# Altium PCB 2022_AESK_UAV_POWER.PcbDoc
Units mm, origin at the board's own origin, x right, y up, seen from the top; angles counter-clockwise.
Board outline 64.02 x 40 mm, 2 copper layers (Top Layer, Bottom Layer); 52 components, 11 nets, 113 pads, 384 vias.
Unrouted connection lines stored in the file: 3.
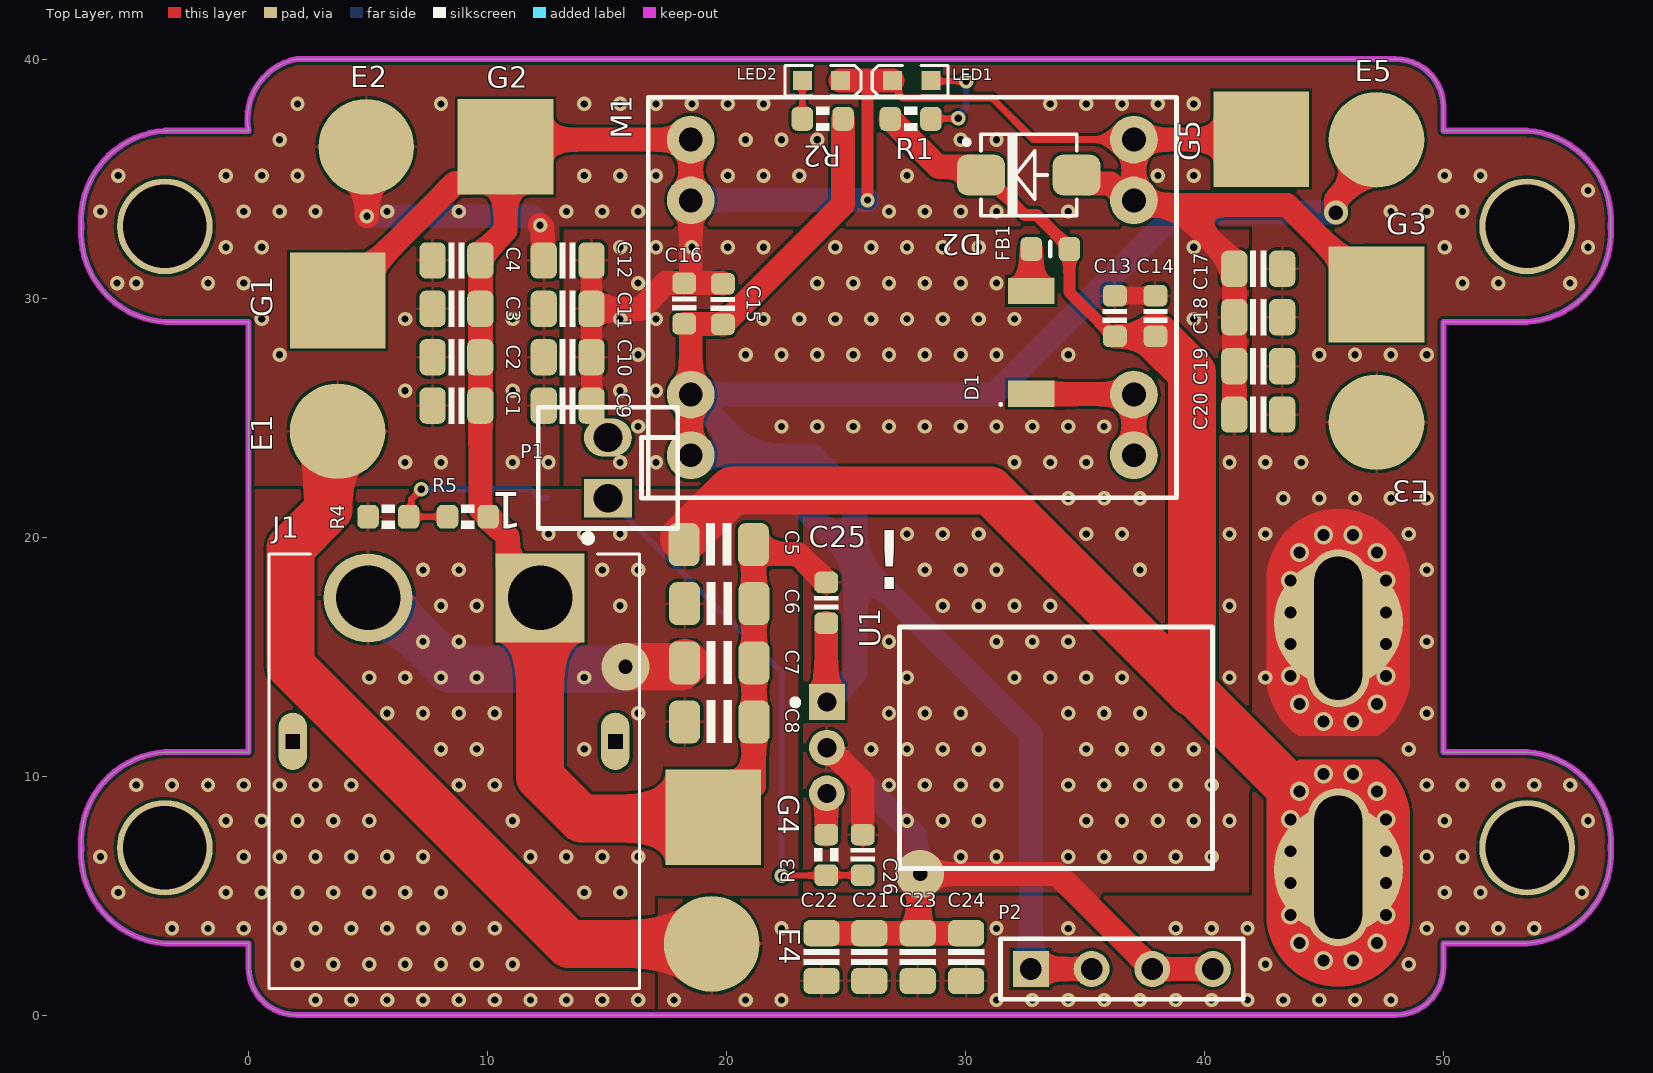
[diagram p0: Top Layer view]
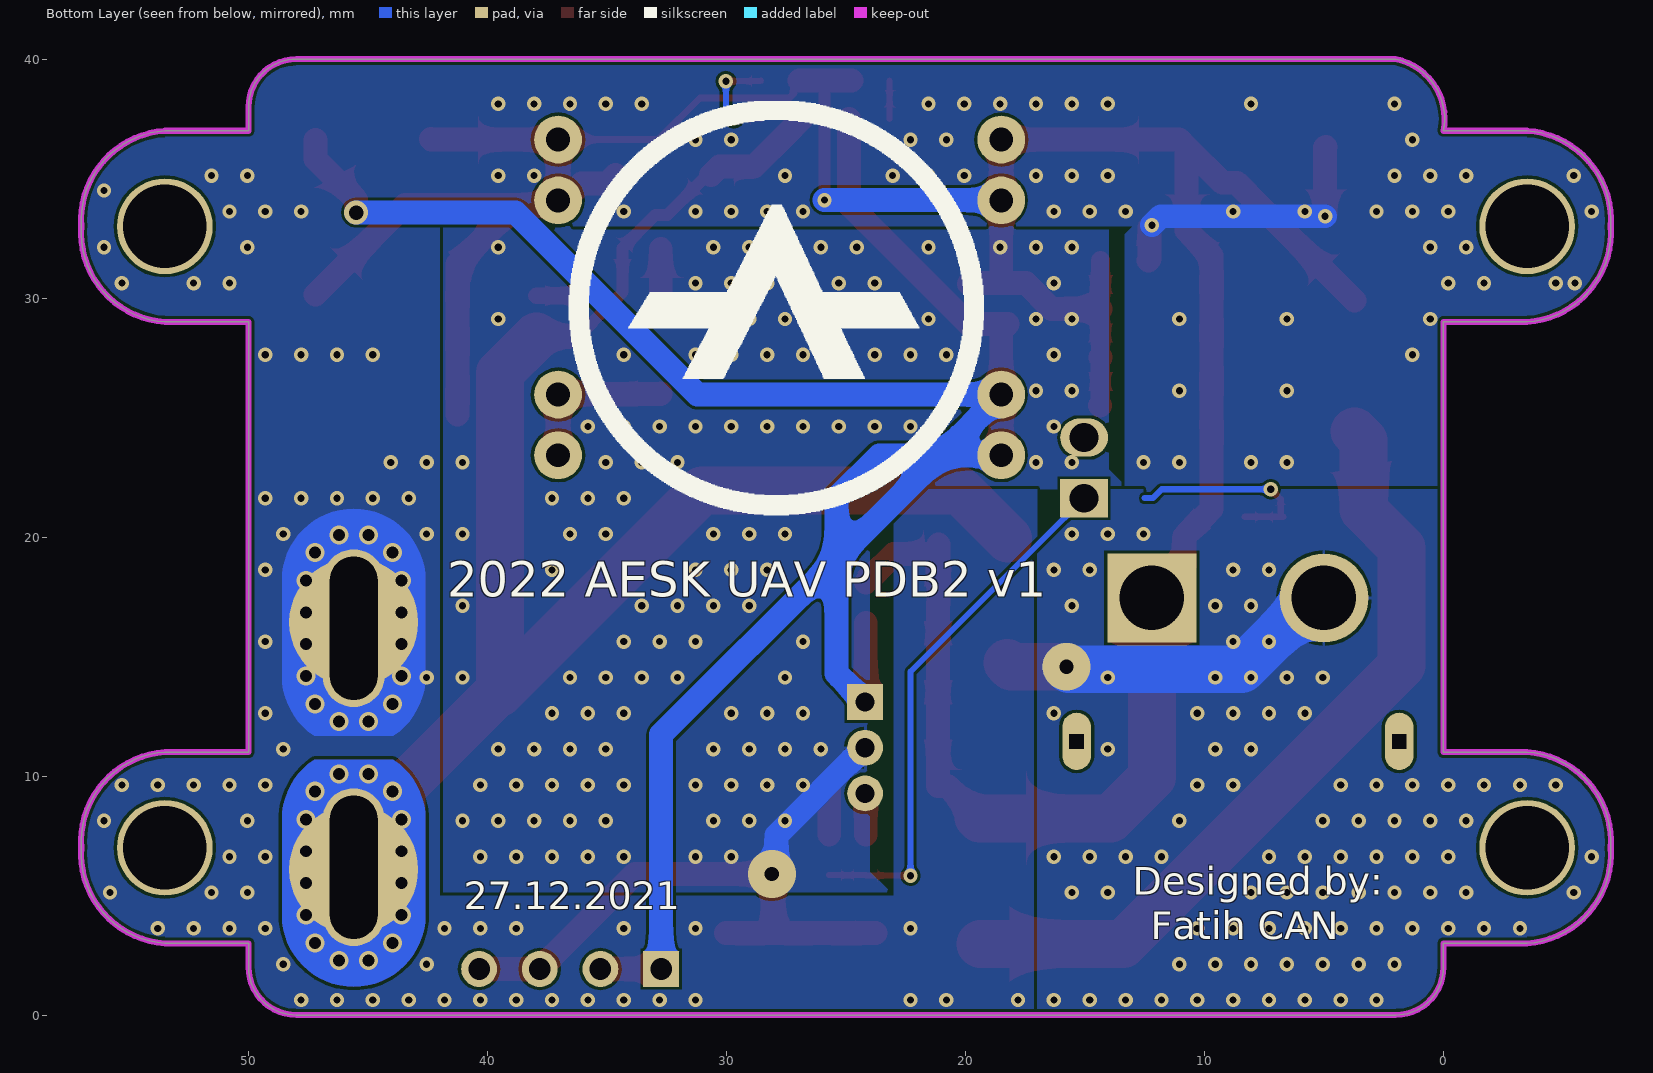
[diagram p1: Bottom Layer view, seen from below]
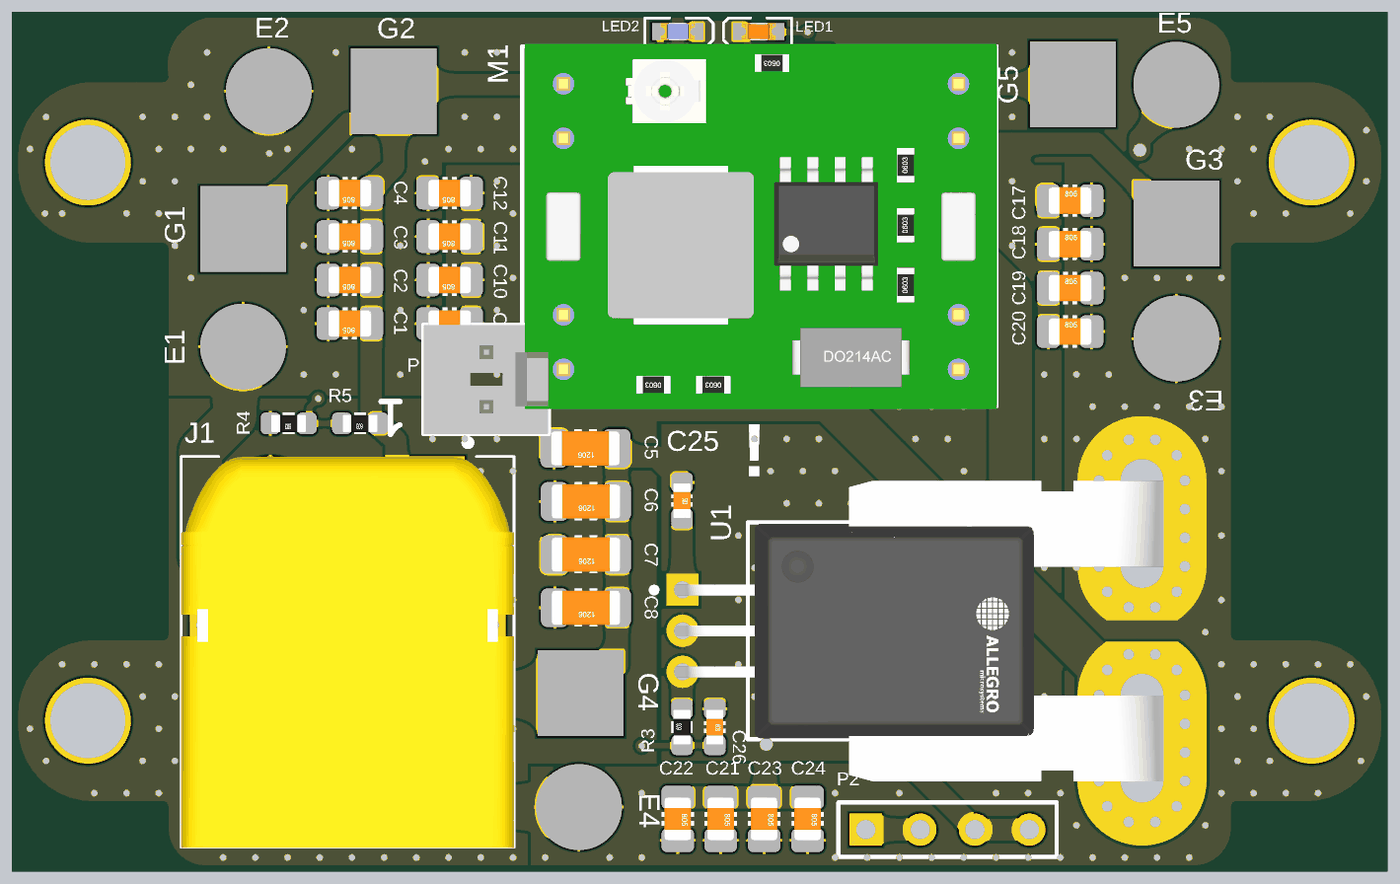
[diagram p2: 3D render of the assembled board from above, using the file's embedded part models]

## Layer stack, top to bottom
Top Solder: solder mask 0.0102, Solder Resist, Dk 3.5
Top Layer: signal copper 0.0356
Dielectric 1: dielectric 0.32, FR-4, Dk 4.8
Bottom Layer: signal copper 0.0356
Bottom Solder: solder mask 0.0102, Solder Resist, Dk 3.5

## Board outline
0,2 0,3 -3.5,3 cw(c-3.25,6.75) -7,7 cw(c-3.25,7.25) -3.5,11 0,11 0,29 -3.5,29 cw(c-3.25,32.75) -7,33 cw(c-3.25,33.25) -3.5,37 0,37 cw(c2.5,37.5) 2,40 48,40 cw(c48,38) 50,38 50,37 53.5,37 cw(c53.25,33.25) 57,33 cw(c53.25,32.75) 53.5,29 50,29 50,11 53.5,11 cw(c53.25,7.25) 57,7 cw(c53.25,6.75) 53.5,3 50,3 50,2 cw(c48,2) 48,0 2,0 cw(c2,2)

## Design rules (kind name [scope] priority, off if disabled: settings)
BoardOutlineClearance [All] p1: gap=0.2 ignorepadtopadclearanceinfootprint=FALSE
Clearance [All] p1: gap=0.127 ignorepadtopadclearanceinfootprint=FALSE except(0.25: Arc-Hole Track-Hole SMDPad-Hole THPad-Hole Via-Hole Fill-Hole Poly-Hole Region-Hole Text-Hole)
ComponentClearance [All] p1: gap=0.127 collisioncheckmode=3 verticalgap=0.127 showdistances=TRUE
DiffPairsRouting [All] p1: maxlimit=0.254 minlimit=0.127 mostfreqgap=0.127 toplayer_minwidth=0.127 toplayer_maxwidth=25.4 toplayer_prefwidth=0.127 bottomlayer_minwidth=0.127 bottomlayer_maxwidth=25.4 bottomlayer_prefwidth=0.127 maxuncoupledlength=12.7
Height [All] p1: minheight=0 maxheight=1816.048 prefheight=12.7
HoleSize [All] p1: absolutevalues=TRUE maxlimit=6.3 minlimit=0.3 maxpercent=80.000 minpercent=20.000
HoleToHoleClearance [All] p1: gap=0.25 allowstackedmicrovias=FALSE
MinimumAnnularRing [All] p1: minimumring=0.076
MinimumSolderMaskSliver [All] p1: minsoldermaskwidth=0
PlaneClearance [All] p1: clearance=0.127
PlaneConnect PlaneConnectPowerPads [InPadClass('PowerPads')] p1: planeconnectstyle=Direct reliefexpansion=0.508 reliefentries=4 reliefconductorwidth=0.254 reliefairgap=0.254
PlaneConnect [All] p2: pad.planeconnectstyle=Relief pad.reliefexpansion=0.3 pad.reliefentries=4 pad.reliefconductorwidth=0.127 pad.reliefairgap=0.127 via.planeconnectstyle=Direct via.reliefexpansion=0.3 via.reliefentries=4 via.reliefconductorwidth=0.127 via.reliefairgap=0.127
PolygonConnect PolygonConnectPowerPads [All vs (InPadClass('PowerPads'))] p1: connectstyle=Direct reliefconductorwidth=0.254 reliefentries=4 polygonreliefangle="90 Angle" airgapwidth=0.254
PolygonConnect [All] p2: thpad.connectstyle=Relief thpad.reliefconductorwidth=0.127 thpad.reliefentries=4 thpad.polygonreliefangle="90 Angle" thpad.airgapwidth=0.127 smdpad.connectstyle=Relief smdpad.reliefconductorwidth=0.127 smdpad.reliefentries=4 smdpad.polygonreliefangle="90 Angle" smdpad.airgapwidth=0.127 via.connectstyle=Direct via.reliefconductorwidth=0.127 via.reliefentries=4 via.polygonreliefangle="90 Angle" via.airgapwidth=0.127
RoutingVias [All] p1: holewidth=0.3 width=0.6 viastyle="Through Hole" minholewidth=0.3 minwidth=0.6 maxholewidth=0.6 maxwidth=6.6
SilkToSilkClearance [All] p1: silktosilkclearance=0
SilkToSolderMaskClearance [IsPad] p1: minsilkscreentomaskgap=0.127 clearancetoexposedcopper=TRUE
SolderMaskExpansion [All] p1: expansion=0.075 istentingtop=FALSE
Width [All] p1: maxlimit=25.4 minlimit=0.127 preferedwidth=0.127 minimp=50.000000 maximp=50.000000 favimp=50.000000
20 further rules are at their usual default settings.

## Components (designator, comment, footprint, x,y, rotation, side; value= is the part's Value field where it differs from the comment)
C1 "1uF" "CAPC 0805" 8.7,25.5 r180 top
C2 "1uF" "CAPC 0805" 8.7,27.525 r180 top
C3 "1uF" "CAPC 0805" 8.7,29.55 r180 top
C4 "1uF" "CAPC 0805" 8.7,31.575 r180 top
C5 "1uF" "CAPC 1206" 19.675,19.687 r180 top
C6 "1uF" "CAPC 1206" 19.7,17.212 r180 top
C7 "1uF" "CAPC 1206" 19.7,14.737 r180 top
C8 "1uF" "CAPC 1206" 19.7,12.262 r180 top
C9 "1uF" "CAPC 0805" 13.35,25.5 r180 top
C10 "1uF" "CAPC 0805" 13.35,27.525 r180 top
C11 "1uF" "CAPC 0805" 13.35,29.55 r180 top
C12 "1uF" "CAPC 0805" 13.35,31.575 r180 top
C13 "10uF" "CAPC 0603" 36.25,29.25 r270 top
C14 "100nF" "CAPC 0603" 37.95,29.25 r270 top
C15 "10uF" "CAPC 0603" 19.85,29.75 r270 top
C16 "100nF" "CAPC 0603" 18.231,29.772 r270 top
C17 "1uF" "CAPC 0805" 42.25,31.225 r0 top
C18 "1uF" "CAPC 0805" 42.25,29.2 r0 top
C19 "1uF" "CAPC 0805" 42.25,27.15 r0 top
C20 "1uF" "CAPC 0805" 42.25,25.125 r0 top
C21 "1uF" "CAPC 0805" 25.975,2.425 r270 top
C22 "1uF" "CAPC 0805" 23.975,2.425 r270 top
C23 "1uF" "CAPC 0805" 28,2.425 r270 top
C24 "1uF" "CAPC 0805" 30.025,2.425 r270 top
C25 "100nF" "CAPC 0603" 24.175,17.25 r270 top
C26 "10nF" "CAPC 0603" 25.7,6.7 r270 top
D1 "PMEG3050BEP" SOD470X100-2N 32.75,28.15 r90 top
D2 "" "DO-214AC, SMA" 32.65,35.15 r0 top
E1 "esc" esc 3.725,24.425 r0 top
E2 "esc" esc 4.925,36.325 r0 top
E3 "esc" esc 47.2,24.8 r0 top
E4 "esc" esc 19.375,2.975 r270 top
E5 "esc" esc 47.2,36.625 r0 top
FB1 "Ferrite Bead" FCM1608KF-601T03 33.55,32.05 r180 top
G1 "gnd" gnd 3.725,29.9 r0 top
G2 "gnd" gnd 10.75,36.325 r0 top
G3 "gnd" gnd 47.2,30.15 r0 top
G4 "gnd" gnd 19.45,8.275 r270 top
G5 "gnd" gnd 42.375,36.65 r0 top
J1 "XT60PW-M" AMASS_XT60PW-M 8.6,11.45 r180 top
LED1 "" "LED RED 0603" 27.75,39.1 r180 top
LED2 "" "LED BLUE 0603" 23.975,39.1 r0 top
M1 "DC-DC Conv(0.8V-18V&3A)" mp 27.775,30.025 r180 top
P1 "Header 2" HDR1X2 15.04,21.625 r180 top
P2 "Header 4" HDR1X4 32.735,1.925 r0 top
R1 "470R" "RESC 0603" 27.706,37.497 r180 top
R2 "470R" "RESC 0603" 24.025,37.5 r0 top
R3 "4.7K" "RESC 0603" 24.175,6.7 r90 top
R4 "27K" "RESC 0603" 5.85,20.85 r180 top
R5 "10K" "RESC 0603" 9.175,20.85 r180 top
U1 "ACS758KCB-150B-PFF-T" Allegro_MicroSystems_LLC_CB-5-PFF_MFG 33.79,11.185 r270 top
? "Comment" "AESK YAZI" 26,17 r0 top

## Footprints (in the part's own frame and the unit in brackets; to place one, negate y for a bottom-side part, rotate by r counter-clockwise, add the part's x,y. Pads: shape width x height; smd on the part's side, far side on the other; paste and mask are expansions set on the pad)
"AESK YAZI" [mm] "AESK YAZI"
Allegro_MicroSystems_LLC_CB-5-PFF_MFG [mm]
  rect 1.5x1.5 hole 0.8 paste-1000 mask+0: 1(-1.91,-9.59)
  round 1.5 hole 0.8 paste-1000 mask+0: 2(0,-9.59) 3(1.91,-9.59)
  rrect100% 6.6x2.6 hole 2 slot 6 at 0 deg paste-1000 mask+0: 4(5,11.809) 5(-5,11.809)
  round 5.4 smd paste-1000 mask+0: 4(5.099,11.809) 5(-5.25,11.809)
  round 5.4 smd far side paste-1000 mask+0: 4(5.099,11.809) 5(-5.25,11.809)
  Top Layer region: 0.5,13.468 1.581,14.453 3,14.809 3,14.809 7,14.81 8.302,14.512 9.345,13.68 9.925,12.477 9.925,11.142 9.345,9.939 8.302,9.107 7,8.809 7,8.809 3,8.809 1.581,9.166 0.5,10.151 0.5,10.151
  Top Layer region: -0.5,10.151 -1.581,9.166 -3,8.81 -3,8.81 -7,8.809 -8.302,9.107 -9.345,9.939 -9.925,11.142 -9.925,12.477 -9.345,13.68 -8.302,14.512 -7,14.809 -7,14.81 -3,14.81 -1.581,14.453 -0.5,13.468 -0.5,13.468
  Bottom Layer region: 0.5,13.468 1.581,14.453 3,14.809 3,14.809 7,14.81 8.302,14.512 9.345,13.68 9.925,12.477 9.925,11.142 9.345,9.939 8.302,9.107 7,8.809 7,8.809 3,8.809 1.581,9.166 0.5,10.151 0.5,10.151
  Bottom Layer region: -0.5,10.151 -1.581,9.166 -3,8.81 -3,8.81 -7,8.809 -8.302,9.107 -9.345,9.939 -9.925,11.142 -9.925,12.477 -9.345,13.68 -8.302,14.512 -7,14.809 -7,14.81 -3,14.81 -1.581,14.453 -0.5,13.468 -0.5,13.468
  silkscreen extent -5.05,-11.04 5.05,6.55, body extent -10.1,-10.44 10.1,14.91, height 0.25
AMASS_XT60PW-M [mm]
  rect 3.716x3.716 hole 2.7: 1(-3.6,-6)
  round 3.716 hole 2.7: 2(3.6,-6)
  oval 1.2x2.4 hole 0.6 square: S1(-6.75,0) S2(6.75,0)
  silkscreen extent -7.75,-8.65 7.75,10.35, body extent -7.75,-7.83 7.75,10.37, height 8.2
"CAPC 0603" [mm] "Chip Resistor, Body 1.6x0.8mm, IPC Medium Density"
  rrect50% 0.9x1 smd: 1(-0.85,0) 2(0.85,0)
  silkscreen extent -0.28,-0.5 0.28,0.5, body extent -0.8,-0.4 0.8,0.4, height 0.3
"CAPC 0805" [mm] "Chip Resistor, Body 2.0x1.3mm, IPC Medium Density"
  rrect50% 1.1x1.52 smd: 1(-1,0) 2(1,0)
  silkscreen extent -0.33,-0.75 0.32,0.75, body extent -1,-0.62 1,0.63, height 0.78
"CAPC 1206" [mm]
  rrect50% 1.3x1.8 smd: 1(-1.45,0) 2(1.45,0)
  silkscreen extent -0.53,-0.9 0.53,0.87, body extent -1.6,-0.8 1.6,0.8, height 1
"DO-214AC, SMA" [mm]
  rrect50% 2x1.7 smd: 1(-2,0) 2(2,0)
  silkscreen extent -2.67,-1.7 2,1.7, body extent -2.73,-1.4 2.77,1.4, height 2.6
esc [mm]
  round 4 smd paste+0: 1(0,0)
FCM1608KF-601T03 [mm]
  rrect50% 0.9x1 smd: 1(-0.8,0) 2(0.8,0)
  silkscreen extent 0,-0.3 0,0.3, body extent -0.8,-0.4 0.8,0.4, height 0.95
gnd [mm]
  rect 4x4 smd paste+0: 1(0,0)
HDR1X2 [mm]
  rect 2x1.6 hole 1.2: 1(0,0)
  oval 2x1.6 hole 1.2: 2(0,-2.54)
  silkscreen extent -2.92,-3.81 2.92,1.27, body extent -2.9,-3.81 2.9,1.27, height 11.71
HDR1X4 [mm] "Connector; Header; 4 Position"
  rect 1.5x1.5 hole 0.9: 1(0,0)
  round 1.5 hole 0.9: 2(2.54,0) 3(5.08,0) 4(7.62,0)
  silkscreen extent -1.27,-1.27 8.89,1.27
"LED BLUE 0603" [mm]
  rect 0.8x0.8 smd: 1(-0.8,0) 2(0.8,0)
  silkscreen extent -1.52,-0.64 1.65,0.64, body extent -0.8,-0.4 0.8,0.4, height 0.59
"LED RED 0603" [mm]
  rect 0.8x0.8 smd: 1(-0.8,0) 2(0.8,0)
  silkscreen extent -1.52,-0.64 1.65,0.64, body extent -0.8,-0.4 0.8,0.4, height 0.59
mp [mm]
  round 2 hole 1: 1(-9.271,6.604) 2(-9.271,4.064) 3(9.271,6.604) 4(9.271,4.064) 5(-9.271,-4.064) 6(-9.271,-6.604) 7(9.271,-4.064) 8(9.271,-6.604)
  silkscreen extent -11.05,-8.38 11.05,8.38, body extent -11.08,-8.49 10.92,8.51, height 8
"RESC 0603" [mm] "Chip Resistor, Body 1.6x0.8mm, IPC Medium Density"
  rrect50% 0.9x1 smd: 1(-0.85,0) 2(0.85,0)
  silkscreen extent -0.28,-0.5 0.28,0.5, body extent -0.8,-0.4 0.8,0.4, height 0.3
SOD470X100-2N [mm]
  rect 1.1x1.95 smd: 1(-2.15,0) 2(2.15,0)
  silkscreen extent -2.65,1.23 -2.55,1.32, body extent -2.35,-1.35 2.35,1.35, height 1

## Part data
C1 C2 C3 C4 C9 C10 C11 C12 C17 C18 C19 C20 C21 C22 C23 C24: library part CAPC0580, "Capacitor Ceramic 1uF 50V 0805", Package / Case=0805, Tolerance=%10, Value Rating=uF, Values="1uF 50V", Voltage=50V, Category="Capacitor Ceramic", Favorites=Favorite, part number=CAPC0580
C5 C6 C7 C8: library part CAPC0953, "Capacitor Ceramic 1uF 25V 1206", Package / Case=1206, Tolerance=%10, Value Rating=uF, Values="1uF 25V", Voltage=25V, Category="Capacitor Ceramic", part number=CAPC0953
C13 C15: library part CAPC0301, "Capacitor Ceramic 10uF 50V 0603", Package / Case=0603, Tolerance=%10, Value Rating=uF, Values="10uF 50V", Voltage=50V, Category="Capacitor Ceramic", part number=CAPC0301
C14 C16 C25: library part CAPC0285, "Capacitor Ceramic 100nF 50V 0603", Package / Case=0603, Tolerance=%10, Value Rating=nF, Values="100nF 50V", Voltage=50V, Category="Capacitor Ceramic", Favorites=Favorite, part number=CAPC0285
C26: library part CAPC0277, "Capacitor Ceramic 10nF 50V 0603", Package / Case=0603, Tolerance=%10, Value Rating=nF, Values="10nF 50V", Voltage=50V, Category="Capacitor Ceramic", Favorites=Favorite, part number=CAPC0277
D1: library part "Schotky Diode", "Schotky Diode", manufacturer="Nexperia USA", Manufacturer Part Number=PMEG3050BEP,115, Supplier Part Number 1=1727-5207-1-ND, Pricing 1="1=0.44, 10=0.373, 100=0.2786, 500=0.2189, 1000=0.1692 (USD)", Stock 1=62590, Supplier 1=Digi-Key
D2: library part Diode0012, Current=FILL!!!, Package / Case="DO-214AC, SMA", Category="Diode Schottky", Diode Type=Schottky, part number=Diode0012, Speed=FILL!!!, Values=FILL!!!, Voltage - DC Reverse (Vr)=FILL!!!, Voltage - Forward (Vf)=FILL!!!
FB1: library part FCM1608KF-601T03
J1: Package="Package Analog Devices", Availability=Unavailable, MF=AMASS, MP=XT60PW-M, Price=None, SnapEDA_Link=https://www.snapeda.com/parts/XT60PW-M%20/AMASS/view-part/3075559/?ref=snap
LED1: library part "LED RED", "LED"
LED2: library part "LED BLUE", "LED"
M1: library part MP1584EN
P1: "Header, 2-Pin", LatestRevisionDate=17-Jul-2002, LatestRevisionNote="Re-released for DXP Platform.", Publisher="Altium Limited"
P2: "Header, 4-Pin", LatestRevisionDate=17-Jul-2002, LatestRevisionNote="Re-released for DXP Platform.", Publisher="Altium Limited"
R1 R2: library part R0188, "470R 0603", Package / Case=0603, Power=1/10W, Tolerance=%5, Category=Resistor, part number=R0188, Values=470R
R3: library part R0212, "4.7K 0603", Package / Case=0603, Power=1/10W, Tolerance=%5, Category=Resistor, part number=R0212, Values=4.7K
R4: library part R0230, "27K 0603", Package / Case=0603, Power=1/10W, Tolerance=%5, Category=Resistor, part number=R0230, Values=27K
R5: library part R0220, "10K 0603", Package / Case=0603, Power=1/10W, Tolerance=%5, Category=Resistor, part number=R0220, Values=10K

## Free pads (board coordinates)
  round 4 hole 3.5: 1(-3.5,7) 1(-3.5,33) 1(53.5,7) 1(53.5,33)

## Via types
v1: diameter 0.6, hole 0.3, Top Layer to Bottom Layer, tented both sides, 349 vias
v2: diameter 0.8, hole 0.5, Top Layer to Bottom Layer, 32 vias
v3: diameter 2, hole 0.6, Top Layer to Bottom Layer, tented both sides, 2 vias
v4: diameter 1, hole 0.6, Top Layer to Bottom Layer, tented both sides, 1 vias

## Nets (pads, with @x,y where several pads share a name; then routed paths per layer and width w, separated by ;. In a path a pad name is that pad's centre, name@x,y a point inside that pad or via, vN(x,y) a via of type N, cw(c..) or ccw(c..) an arc to the next point about the centre after c; other vN are vias at no path point)
+5V: C15.2 C16.2 C25.2 E5.1 M1.3 M1.4 P2.1 P2.2 R2.2 U1.1 | length 104.3
  Top Layer w1: M1.3 M1.4 18.504,28.649 C16.2 19.828,28.922 C15.2 20.473,29.523 20.478,29.523 24.875,33.92 R2.2 ; C25.2 24.175,13.12 U1.1 ; P2.1 P2.2 ; v4(45.5,33.575) 45.5,34.113 47.2,35.813 E5.1
  Bottom Layer w1: M1.3 21.044,23.421 ; U1.1 25.4,14.295 25.4,19.065 ; P2.1 32.735,11.73 25.4,19.065 ; v4(45.5,33.575) 38.833,33.575 31.219,25.961 M1.4 21.044,23.421 ; 21.044,23.421 23.604,23.421 25.4,21.625 25.4,19.065 ; 21.044,23.421 25.4,19.065
+12V: C5.2 C6.2 C7.2 C8.2 C13.2 C14.2 D2.1 FB1.1 J1.2 R1.2 R4.2 U1.4 | length 82
  Top Layer w0.5: D2.1 30.8,35.15 32.471,33.479 32.971,33.479 34.35,32.1 FB1.1 34.35,30.25 36.2,28.4 C13.2
  Top Layer w1: C5.2 C5.2@18.225,19.937 ; R1.2 27.479,36.874 27.479,36.869 28.848,35.5 30.3,35.5 D2.1 ; C13.2 C14.2 ; v2(43.6,8.185) 45.6,6.185 U1.4@45.6,6.086
  Top Layer w2: v3(15.775,14.575) 18.088,14.575 C7.2 ; C5.2@18.225,19.937 20.238,21.95 31.026,21.95 39.475,13.5 39.475,26.875 C14.2 ; 39.475,13.6 43.6,9.475 v2(43.6,8.185)
  Bottom Layer w2: J1.2 5.464,17.45 8.449,14.465 15.665,14.465 v3(15.775,14.575)
  other v1: 2.8,0.625 4.3,0.625 5.8,0.625 7.3,0.625 8.8,0.625 10.3,0.625 11.8,0.625 13.3,0.625 14.8,0.625 16.3,0.625 2.05,2.125 3.55,2.125 5.05,2.125 6.55,2.125 8.05,2.125 9.55,2.125 11.05,2.125 -3.2,3.625 -1.7,3.625 -0.2,3.625 1.3,3.625 2.8,3.625 4.3,3.625 5.8,3.625 7.3,3.625 8.8,3.625 10.3,3.625 -5.45,5.125 -0.95,5.125 0.55,5.125 2.05,5.125 3.55,5.125 5.05,5.125 6.55,5.125 8.05,5.125 14.05,5.125 15.55,5.125 -6.2,6.625 -0.2,6.625 1.3,6.625 2.8,6.625 4.3,6.625 5.8,6.625 7.3,6.625 11.8,6.625 13.3,6.625 14.8,6.625 16.3,6.625 -0.95,8.125 0.55,8.125 2.05,8.125 3.55,8.125 5.05,8.125 11.05,8.125 -4.7,9.625 -3.2,9.625 -1.7,9.625 -0.2,9.625 1.3,9.625 2.8,9.625 4.3,9.625 8.8,9.625 10.3,9.625 8.05,11.125 9.55,11.125 14.05,11.125 5.8,12.625 7.3,12.625 8.8,12.625 10.3,12.625 16.3,12.625 5.05,14.125 6.55,14.125 8.05,14.125 9.55,14.125 14.05,14.125 7.3,15.625 8.8,15.625 8.05,17.125 9.55,17.125 15.55,17.125 7.3,18.625 8.8,18.625 14.8,18.625 16.3,18.625 12.55,20.125 14.05,20.125 15.55,20.125
  other v2: 44.982,2.283 46.218,2.283 43.982,3.009 47.218,3.009 43.6,4.185 47.6,4.185 43.6,5.518 47.6,5.518 43.6,6.852 47.6,6.852 47.6,8.185 43.982,9.361 47.218,9.361 44.982,10.087 46.218,10.087
CS-ADC: C26.2 P1.1 R3.1 | length 22.2
  Top Layer w0.254: v1(22.3,5.825) 22.313,5.838 24.163,5.838 R3.1 C26.2
  Bottom Layer w0.254: P1.1 22.3,14.365 v1(22.3,5.825)
ESC: C1.2 C2.2 C3.2 C4.2 C9.2 C10.2 C11.2 C12.2 C17.2 C18.2 C19.2 C20.2 C21.2 C22.2 C23.2 C24.2 E1.1 E2.1 E3.1 E4.1 U1.5 | length 44.9
  Top Layer w1: E2.1 4.95,36.3 v1(4.95,33.425) ; v1(12.2,33.05) 12.3,32.95 12.3,31.625 C12.2
  Top Layer w2: E1.1 3.342,24.042 3.342,21.142 1.75,19.55 1.75,14.625 13.4,2.975 E4.1
  Bottom Layer w1: v1(4.95,33.425) 11.825,33.425 v1(12.2,33.05)
  other v1: 17.8,0.625 20.8,0.625 22.3,0.625 31.3,0.625 32.8,0.625 34.3,0.625 35.8,0.625 37.3,0.625 38.8,0.625 40.3,0.625 41.8,0.625 43.3,0.625 44.8,0.625 46.3,0.625 47.8,0.625 42.55,2.125 48.55,2.125 22.3,3.625 31.3,3.625 34.3,3.625 38.8,3.625 40.3,3.625 41.8,3.625 49.3,3.625 50.8,3.625 52.3,3.625 53.8,3.625 50.05,5.125 51.55,5.125 55.8,5.125 49.3,6.625 50.8,6.625 50.05,8.125 56.05,8.125 49.3,9.625 50.8,9.625 52.3,9.625 53.8,9.625 55.3,9.625 48.55,11.125 49.3,12.625 42.55,14.125 49.3,15.625 49.3,18.625 42.55,20.125 48.55,20.125 43.3,21.625 44.8,21.625 46.3,21.625 47.8,21.625 49.3,21.625 6.55,23.125 8.05,23.125 11.05,23.125 12.55,23.125 42.55,23.125 44.05,23.125 6.55,26.125 11.05,26.125 1.3,27.625 44.8,27.625 46.3,27.625 47.8,27.625 49.3,27.625 0.55,29.125 6.55,29.125 11.05,29.125 -5.5,30.625 -4.7,30.625 -1.7,30.625 -0.2,30.625 50.8,30.625 52.3,30.625 55.3,30.625 -0.95,32.125 0.55,32.125 50.05,32.125 56.05,32.125 -6.2,33.625 -0.2,33.625 1.3,33.625 2.8,33.625 5.8,33.625 8.8,33.625 13.3,33.625 14.8,33.625 16.3,33.625 26.8,33.625 28.3,33.625 29.8,33.625 31.3,33.625 34.3,33.625 47.8,33.625 49.3,33.625 50.8,33.625 56.05,34.5 -5.45,35.125 -0.95,35.125 0.55,35.125 2.05,35.125 14.05,35.125 15.55,35.125 17.05,35.125 20.05,35.125 21.55,35.125 23.05,35.125 27.55,35.125 38.05,35.125 39.55,35.125 50.05,35.125 51.55,35.125 1.3,36.625 20.8,36.625 22.3,36.625 23.8,36.625 29.8,36.625 31.3,36.625 2.05,38.125 8.05,38.125 14.05,38.125 15.55,38.125 17.05,38.125 18.55,38.125 20.05,38.125 21.55,38.125 33.55,38.125 35.05,38.125 36.55,38.125 38.05,38.125 39.55,38.125
  other v2: 44.982,12.283 46.218,12.283 43.982,13.009 47.218,13.009 43.6,14.185 47.6,14.185 43.6,15.518 47.6,15.518 43.6,16.852 47.6,16.852 43.6,18.185 47.6,18.185 43.982,19.361 47.218,19.361 44.982,20.087 46.218,20.087
GB-ADC: P1.2 R4.1 R5.2 | length 8.4
  Top Layer w0.254: v1(7.225,22) 6.809,21.584 6.809,20.959 R4.1 R5.2
  Bottom Layer w0.254: v1(7.225,22) 11.788,22 12.163,21.625 12.5,21.625
GND: C1.1 C2.1 C3.1 C4.1 C5.1 C6.1 C7.1 C8.1 C9.1 C10.1 C11.1 C12.1 C13.1 C14.1 C15.1 C16.1 C17.1 C18.1 C19.1 C20.1 C21.1 C22.1 C23.1 C24.1 C25.1 C26.1 D2.2 G1.1 G2.1 G3.1 G4.1 G5.1 J1.1 LED1.2 LED2.2 M1.5 M1.6 M1.7 M1.8 P2.3 P2.4 R5.1 U1.2 | length 181.3
  Top Layer w0.3: LED1.2 27.2,38.85 27.2,38.55 27.375,38.375 31.107,38.375 32.853,36.629 M1.6
  Top Layer w0.5: 25.863,39.1 25.9,39.063 v1(25.9,34.1)
  Top Layer w0.7: C13.1 C14.1
  Top Layer w0.8: C10.1 C11.1 C12.1 ; C9.1@14.363,25.512 C10.1@14.363,27.512
  Top Layer w1: G1.1 7.65,33.825 8.65,34.825 9.25,34.825 G2.1 ; J1.1 10.842,18.808 10.842,20.033 R5.1 9.7,21.175 C1.1 C2.1 C3.1 C4.1 9.7,31.785 9.75,31.835 9.76,31.835 10.75,32.825 G2.1 ; C10.1 C10.1@14.363,27.512 ; C11.1 16.4,29.55 17.472,30.622 C16.1 ; C9.1@14.363,25.512 C9.1@14.375,25.5 ; G4.1 20.75,9.575 21.15,9.575 C8.1 ; C15.1 19.828,30.622 C16.1 ; C5.1 21.137,19.675 C5.1@21.137,19.425 ; C8.1 C7.1 C6.1 21.137,17.225 C5.1@21.137,19.425 ; C22.1@23.765,3.425 C22.1 C21.1 C23.1 ; C25.1 22.988,19.287 21.275,19.287 C5.1@21.137,19.425 ; U1.2 24.237,11.185 25.7,9.722 C26.1 ; LED2.2 25.863,39.1 LED1.2 ; C24.1 C23.1 ; D2.2 35,34.8 36.064,34.8 36.775,34.089 M1.5 ; P2.4 P2.3 33.84,5.9 v3(28.1,5.9) 28.05,5.85 28.05,3.475 C23.1 ; C20.1 C19.1 C18.1 C17.1 41.25,31.435 38.787,33.898 ; G5.1 42.354,36.629 M1.6 M1.5 ; G3.1 43.452,33.898 38.787,33.898 ; G2.1 11.054,36.629 M1.8 M1.7 18.504,30.895 C16.1 ; M1.5 37.237,33.898 38.787,33.898
  Top Layer w2: J1.1 12.2,9.95 13.925,8.225 19.4,8.225 G4.1
  Bottom Layer w1: M1.7 18.543,34.05 18.593,34.1 v1(25.9,34.1) ; U1.2 24.237,11.185 27.909,7.514 27.909,6.091 v3(28.1,5.9)
  other v1: 29.8,6.625 31.3,6.625 34.3,6.625 35.8,6.625 37.3,6.625 38.8,6.625 40.3,6.625 27.55,8.125 29.05,8.125 30.55,8.125 35.05,8.125 36.55,8.125 38.05,8.125 39.55,8.125 41.05,8.125 26.8,9.625 28.3,9.625 29.8,9.625 31.3,9.625 34.3,9.625 35.8,9.625 37.3,9.625 38.8,9.625 40.3,9.625 26.05,11.125 27.55,11.125 29.05,11.125 30.55,11.125 35.05,11.125 36.55,11.125 38.05,11.125 39.55,11.125 26.8,12.625 28.3,12.625 29.8,12.625 34.3,12.625 35.8,12.625 37.3,12.625 27.55,14.125 32.05,14.125 33.55,14.125 35.05,14.125 36.55,14.125 41.05,14.125 26.8,15.625 31.3,15.625 32.8,15.625 34.3,15.625 29.05,17.125 30.55,17.125 32.05,17.125 33.55,17.125 41.05,17.125 28.3,18.625 29.8,18.625 31.3,18.625 37.3,18.625 27.55,20.125 29.05,20.125 30.55,20.125 35.05,20.125 36.55,20.125 41.05,20.125 34.3,21.625 35.8,21.625 37.3,21.625 15.55,23.125 17.05,23.125 32.05,23.125 33.55,23.125 35.05,23.125 41.05,23.125 16.3,24.625 22.3,24.625 23.8,24.625 25.3,24.625 26.8,24.625 28.3,24.625 29.8,24.625 31.3,24.625 32.8,24.625 34.3,24.625 35.8,24.625 15.55,26.125 17.05,26.125 16.3,27.625 20.8,27.625 22.3,27.625 23.8,27.625 25.3,27.625 26.8,27.625 28.3,27.625 29.8,27.625 31.3,27.625 34.3,27.625 15.55,29.125 17.05,29.125 21.55,29.125 23.05,29.125 24.55,29.125 26.05,29.125 27.55,29.125 29.05,29.125 30.55,29.125 32.05,29.125 39.55,29.125 16.3,30.625 23.8,30.625 25.3,30.625 26.8,30.625 28.3,30.625 29.8,30.625 31.3,30.625 15.55,32.125 17.05,32.125 18.55,32.125 20.05,32.125 21.55,32.125 24.55,32.125 26.05,32.125 27.55,32.125 29.05,32.125 30.55,32.125 39.55,32.125
NetD1_1: D1.1 M1.1 M1.2 | length 6.9
  Top Layer w1: D1.1 32.77,25.98 37.026,25.98 M1.2 M1.1
NetD1_2: D1.2 FB1.2 | length 1.8
  Top Layer w1: D1.2 FB1.2
NetLED1_1: LED1.1 R1.1 | length 4.3
  Top Layer w0.254: LED1.1 28.575,39.075 v1(30.025,39.075) ; R1.1 28.57,37.511 29.686,37.511 v1(29.7,37.525)
  Bottom Layer w0.254: v1(29.7,37.525) 29.7,37.619 30.025,37.944 v1(30.025,39.075)
NetLED2_1: LED2.1 R2.1 | length 1.6
  Top Layer w0.254: R2.1 LED2.1
NetR3_2: R3.2 U1.3 | length 1.7
  Top Layer w1: R3.2 24.175,9.25 U1.3
pads on no net: J1.S1 J1.S2

## Polygon pours and split planes (outlines as drawn)
+12V on Top Layer "NONET_L-01_P-001" (solid, pour order 0): -7,0 -7,22 23,22 23,5 17,5 17,0
GND on Top Layer "NONET_L-01_P-001" (solid, pour order 2): 13.187,22 13.187,32.813 13,33 42,33 42,5 41.883,4.883 23.211,4.883 23.211,21.789 23,22
ESC on Top Layer "NONET_L-01_P-001" (solid, pour order 1): -7,22 -7,40 57,40 57,0 17,0 17,5 42,5 42,33 13,33 13,22
GND on Bottom Layer "NONET_L-01_P-001" (solid, pour order 7): 13.338,22.183 14,22.845 14,33 42,33 42,5 23,5 24,6 24,22 13.52,22
ESC on Bottom Layer "NONET_L-01_P-001" (solid, pour order 6): 17,0 57,0 57,40 -7,40 -7,29 0.106,21.894 13.338,21.894 13.338,32.662 13,33 42,33 42,5 23,5 23,22 17,22
+12V on Bottom Layer "NONET_L-01_P-001" (solid, pour order 5): -7,0 -7,22 17,22 17,0

## Keep-outs
Keep-Out Layer:
  lines w0.254: -7,7 ccw(c-3.25,6.75) -3.5,3 0,3 0,2 ccw(c2,2) 2,0 48,0 ccw(c48,2) 50,2 50,3 53.5,3 ccw(c53.25,6.75) 57,7 ccw(c53.25,7.25) 53.5,11 50,11 50,29 53.5,29 ccw(c53.25,32.75) 57,33 ccw(c53.25,33.25) 53.5,37 50,37 50,38 ccw(c48,38) 48,40 2,40 ccw(c2.5,37.5) 0,37 -3,37 -3.5,37 ccw(c-3.25,33.25) -7,33 ccw(c-3.25,32.75) -3.5,29 0,29 0,11 -3.5,11 ccw(c-3.25,7.25) -7,7

## Silkscreen, mask and mechanical layers (free items; w line width, h text height)
Bottom Overlay:
  drawing of 2 lines, arcs and shapes, not listed
  text "2022 AESK UAV PDB2 v1" at 41.677,17.028 h2.5
  text "Designed by:" at 13,4.626 h2
  text "27.12.2021" at 41.002,4.022 h2
  text "Fatih CAN" at 12.25,2.772 h2

## Text inside footprints (layer, text, board x,y; h text height)
P1: Top Overlay "1" at 11.484,21.879 h1.52 r180
?: Top Overlay "!" at 26.006,16.873 h5